# Altium PCB HW_Dron_V2.PcbDoc (part 2 of 2) (continued)
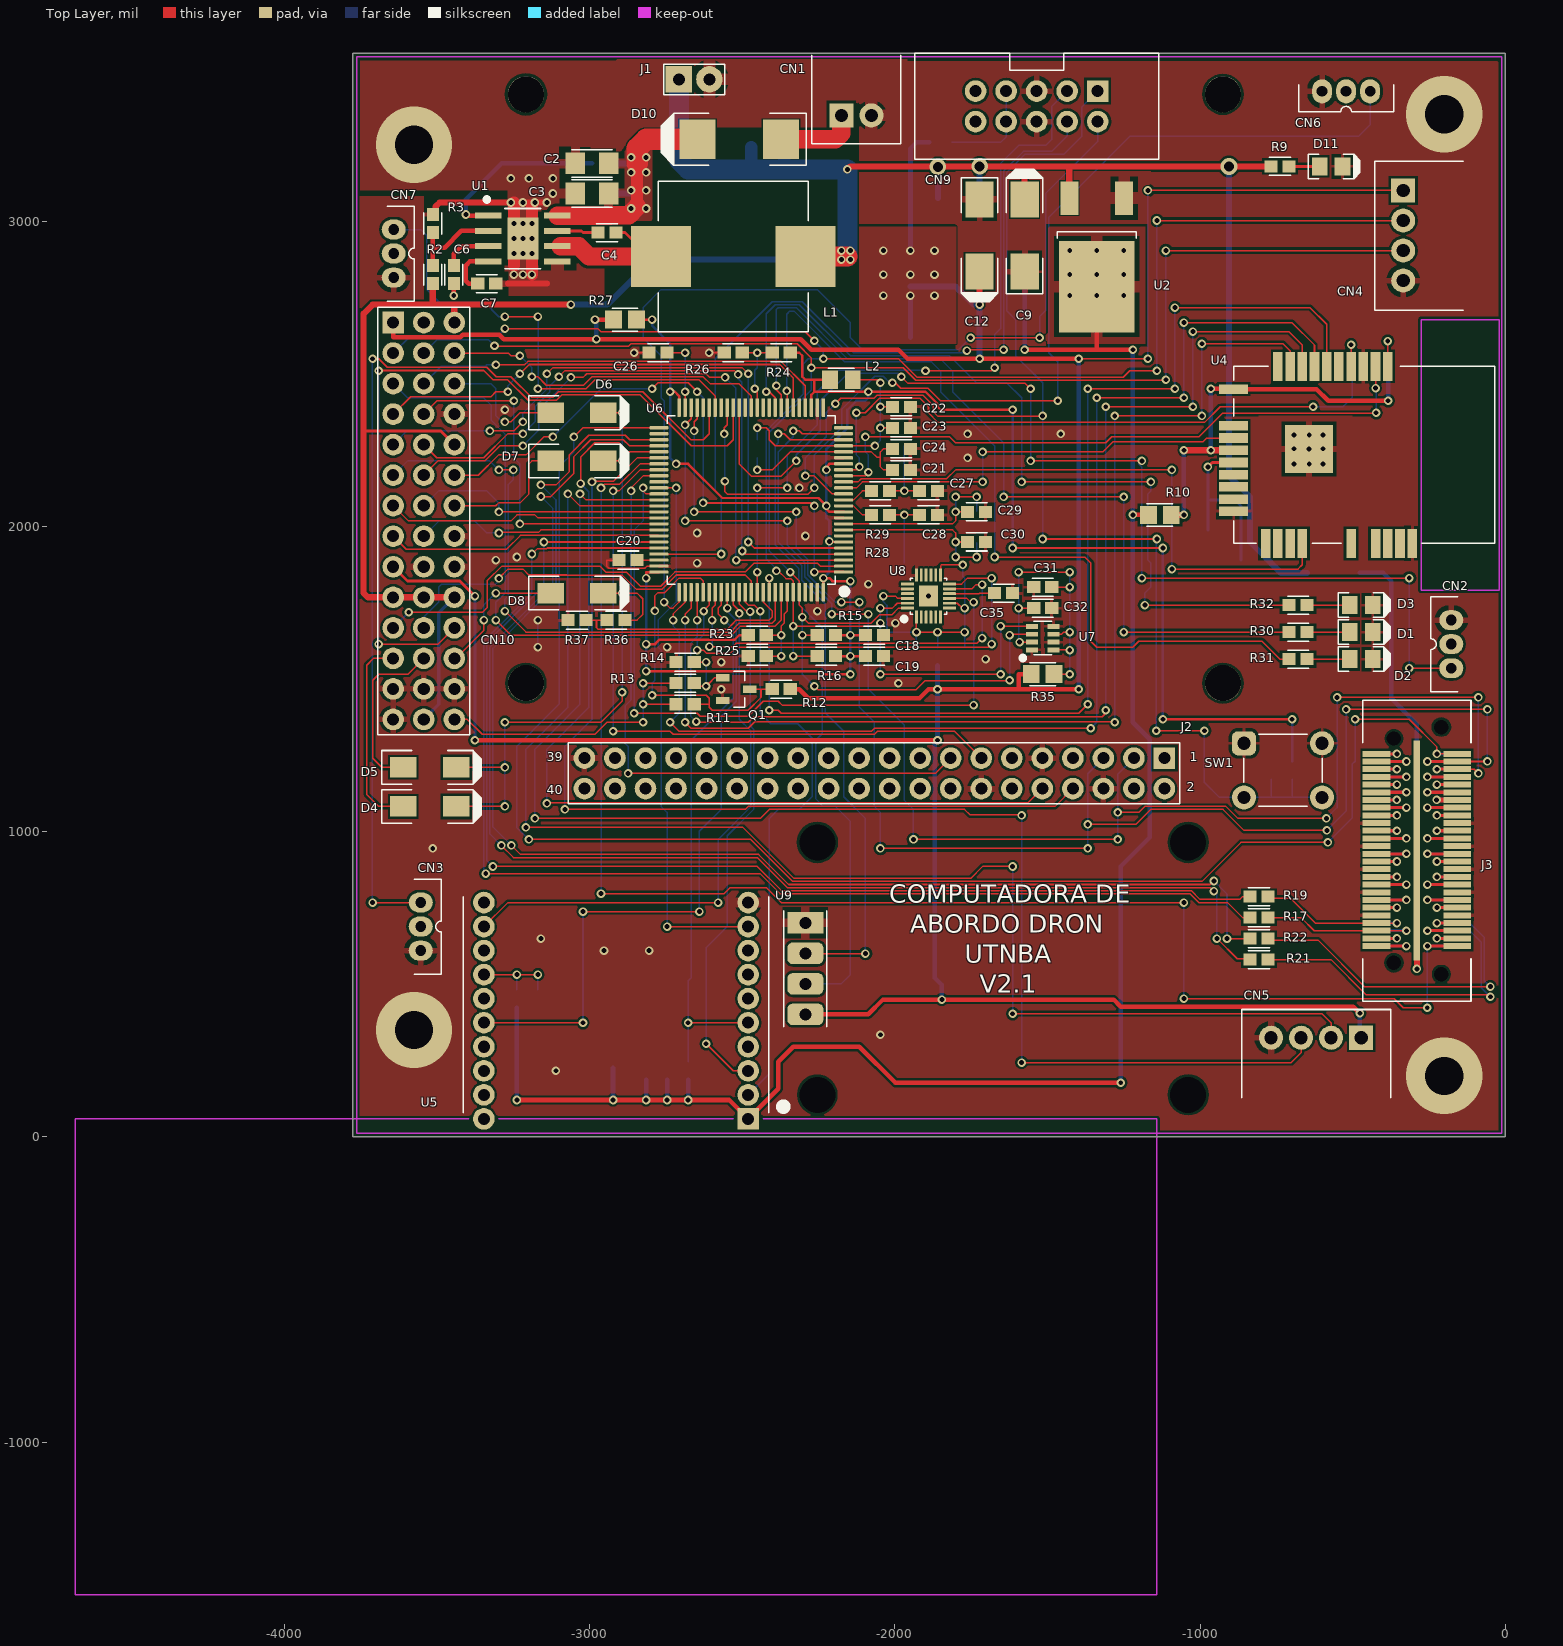
[diagram p0: Top Layer view]
## Nets (pads, with @x,y where several pads share a name; then routed paths per layer and width w, separated by ;. In a path a pad name is that pad's centre, name@x,y a point inside that pad or via, vN(x,y) a via of type N, cw(c..) or ccw(c..) an arc to the next point about the centre after c; other vN are vias at no path point) (continued)
  Bottom Layer w10: J4.18@-422.24,826.57 v1(-324.21,826.57)
PE1_TN_PC: J3.13 J4.13 | length 196.1
  Top Layer w10: v1(-255.31,776.18) J3.13@-157.28,776.18
  Bottom Layer w10: v1(-255.31,776.18) J4.13@-157.28,776.18
PE1_TP_PC: J3.11 J4.11 | length 133.9
  Top Layer w10: v1(-224.21,750.98) J3.11@-157.28,750.98
  Bottom Layer w10: v1(-224.21,750.98) J4.11@-157.28,750.98
PE_RST#_PC: J3.2 J4.2 | length 196.1
  Top Layer w10: J3.2@-422.24,625 v1(-324.21,625)
  Bottom Layer w10: J4.2@-422.24,625 v1(-324.21,625)
PH_N: R28.1 U6.12 | length 103.6
  Top Layer w5: U6.12@-2168.11,2066.93 -2135.83,2066.93 -2106.3,2037.4 R28.1@-2076.77,2037.4
PH_P: R29.1 U6.13 | length 103.6
  Top Layer w5: U6.13@-2168.11,2086.61 -2135.83,2086.61 -2106.3,2116.14 R29.1@-2076.77,2116.14
PSON#_PC: J3.52 J4.52 | length 133.9
  Top Layer w10: J3.52@-422.24,1254.92 v1(-355.31,1254.92)
  Bottom Layer w10: J4.52@-422.24,1254.92 v1(-355.31,1254.92)
PWRG_PC: J3.46 J4.46 | length 196.1
  Top Layer w10: J3.46@-422.24,1179.33 v1(-324.21,1179.33)
  Bottom Layer w10: J4.46@-422.24,1179.33 v1(-324.21,1179.33)
RC_ENTRADA: CN10.42 R11.1 R13.2 | length 999.5
  Top Layer w5: CN10.42@-3443.31,1367.72 -3400.57,1367.72 -3351.75,1318.9 -2982.28,1318.9 -2942.91,1358.27 v1(-2824.8,1358.27) ; v1(-2824.8,1417.32) R11.1@-2716.54,1417.32 ; v1(-2824.8,1486.22) R13.2@-2716.54,1486.22
  Bottom Layer w5: v1(-2824.8,1358.27) v1(-2824.8,1486.22)
RC_OUT: Q1.2 R11.2 R12.1 U6.80 | length 1115.6
  Top Layer w5: v1(-2795.28,1446.85) -2618.11,1446.85 -2608.27,1437.01 -2608.27,1417.32 ; v1(-2785.87,1722.88) -2787.25,1724.26 -2787.25,1771.65 -2775.59,1783.31 -2754.09,1783.31 -2706.69,1830.71 -2637.8,1830.71 -2627.95,1820.87 U6.80@-2627.95,1784.25 ; R11.2@-2657.48,1417.32 -2608.27,1417.32 ; Q1.2@-2475.39,1466.54 -2438.48,1466.54 ; R12.1@-2401.58,1466.54 -2438.48,1466.54 ; -2608.27,1417.32 -2608.27,1407.48 -2598.43,1397.64 -2480.32,1397.64 -2438.48,1439.47 -2438.48,1466.54
  Bottom Layer w5: v1(-2795.28,1446.85) -2795.28,1486.22 -2785.87,1495.62 v1(-2785.87,1722.88)
RES48_PC: J3.48 J4.48 | length 133.9
  Top Layer w10: J3.48@-422.24,1204.53 v1(-355.31,1204.53)
  Bottom Layer w10: J4.48@-422.24,1204.53 v1(-355.31,1204.53)
RES50_PC: J3.50 J4.50 | length 196.1
  Top Layer w10: J3.50@-422.24,1229.72 v1(-324.21,1229.72)
  Bottom Layer w10: J4.50@-422.24,1229.72 v1(-324.21,1229.72)
SWO: CN9.3 U6.89 | length 2467.7
  Top Layer w5: U6.89@-2450.79,1784.25 v1(-2450.79,1850.39) ; v1(-2450.79,2125.98) v1(-2352.36,2125.98) ; v1(-1899.61,2509.84) -1683.07,2509.84 v1(-1673.23,2519.69)
  Bottom Layer w5: v1(-2450.79,1850.39) v1(-2450.79,2125.98) ; v1(-2352.36,2125.98) -2352.36,2234.25 -2254.09,2332.52 -2254.09,2440.79 -2182.91,2511.97 -1901.73,2511.97 v1(-1899.61,2509.84) ; v1(-1673.23,2519.69) -1673.23,2627.95 -1653.7,2647.48 -1653.7,3188.82 -1594.49,3248.03 -1505.91,3248.03 -1486.22,3267.72 -1486.22,3375.2 CN9.3@-1435.43,3425.98
T_JTCK: CN9.2 U6.76 | length 3327.9
  Top Layer w5: v1(-2755.91,1751.97) -2736.22,1732.28 -2726.38,1732.28 -2706.69,1751.97 U6.76@-2706.69,1784.25 ; v1(-1751.97,2618.11) v1(-1525.59,2618.11)
  Bottom Layer w5: v1(-2755.91,1751.97) -2755.91,2411.42 -2765.75,2421.26 -2765.75,2559.06 -2824.8,2618.11 -2824.8,2716.54 -2765.75,2775.59 -2253.94,2775.59 -2145.67,2667.32 -2145.67,2618.11 -2106.3,2578.74 -1791.34,2578.74 v1(-1751.97,2618.11) ; v1(-1525.59,2618.11) -1525.59,2687.17 -1506.06,2706.69 -1506.06,3090.39 -1335.43,3261.02 CN9.2@-1335.43,3325.98
T_JTMS: CN9.4 U6.72 | length 2835.1
  Top Layer w5: U6.72@-2772.84,1909.45 v1(-2568.9,1909.45) ; v1(-1763.96,2575.71) -1761.81,2577.86 v1@-1643.7,2577.86
  Bottom Layer w5: v1(-2568.9,1909.45) -2568.9,2096.46 -2588.58,2116.14 -2588.58,2549.21 -2401.57,2736.22 -2303.15,2736.22 -2135.67,2568.74 -1770.93,2568.74 v1(-1763.96,2575.71) ; v1(-1643.7,2578.74) -1643.7,3163.59 -1578.79,3228.5 -1486.22,3228.5 -1435.43,3279.29 CN9.4@-1435.43,3325.98
T_NRST: C25.1 CN9.1 R20.1 SW1.2 U6.14 | length 4726.5
  Top Layer w5: v1(-2293.31,2165.35) -2263.78,2165.35 -2204.72,2106.3 U6.14@-2168.11,2106.3 ; v1(-2194.88,2401.57) -2177.01,2419.44 -2068.74,2419.44 -2058.74,2429.44 -1907.79,2429.44 -1874.38,2396.03 -1874.38,2376.35 -1858.42,2360.39 -1517.56,2360.39 v1(-1515.75,2362.2) ; v1(-1515.75,1958.66) v1(-1141.73,1958.66) ; v1(-1143.55,1330.56) v1(-986.07,1330.56)
  Bottom Layer w5: v1(-2293.31,2165.35) -2293.31,2224.41 -2224.41,2293.31 -2224.41,2372.05 v1(-2194.88,2401.57) ; v1(-1515.75,1958.66) -1515.75,2470.47 -1604.33,2559.06 -1604.33,2677.17 -1633.7,2706.54 -1633.7,3159.45 -1574.65,3218.5 -1446.85,3218.5 -1387.8,3277.56 -1387.8,3373.62 CN9.1@-1335.43,3425.98 ; v1(-1143.55,1330.56) -1143.55,1956.85 v1(-1141.73,1958.66) ; v1(-986.07,1330.56) -986.07,1161.42 -936.85,1112.2 SW1.2@-856.3,1112.2 SW1.2@-600.39,1112.2 ; -767.72,1112.21 C25.1@-767.72,1171.26 ; -698.82,1112.21 R20.1@-698.82,1171.26
US1_TRIG: CN10.6 U6.38 | length 1109.5
  Top Layer w5: CN10.6@-3443.31,2567.72 -3266.54,2567.72 -3257.87,2559.06 v1(-3228.35,2559.06) ; v1(-3188.98,2490.16) -3169.29,2490.16 -3141.74,2462.6 -3019.68,2462.6 -2991.97,2490.32 -2628.11,2490.32 -2604.32,2466.53 -2509.88,2466.53 -2470.47,2427.12 U6.38@-2470.47,2388.98
  Bottom Layer w5: v1(-3228.35,2559.06) -3188.98,2519.69 v1(-3188.98,2490.16)
US2_TRIG: CN10.18 U6.1 | length 1988.5
  Top Layer w5: CN10.18@-3443.31,2167.72 -3364.57,2167.72 -3298.03,2234.25 -3208.66,2234.25 -3149.61,2293.31 v1(-3120.08,2293.31) ; v1(-2795.12,2450.79) -2775.59,2470.32 -2677.01,2470.32 v1(-2647.64,2440.94) ; v1(-2627.95,2076.77) -2627.8,2076.61 -2273.46,2076.61 v1(-2263.78,2066.93) ; v1(-2263.78,1850.39) -2261.96,1852.21 -2168.11,1852.21 U6.1@-2168.11,1850.39
  Bottom Layer w5: v1(-3120.08,2293.31) -2962.6,2450.79 v1(-2795.12,2450.79) ; v1(-2647.64,2440.94) -2627.95,2421.26 v1(-2627.95,2076.77) ; v1(-2263.78,1850.39) v1(-2263.78,2066.93)
US3_TRIG: CN10.33 U6.41 | length 2557.9
  Top Layer w5: v1(-3690.94,1614.17) -3496.85,1614.17 CN10.33@-3443.31,1667.72 ; v1(-3690.94,2509.84) -3690.14,2510.65 -3346.46,2510.65 -3316.12,2480.32 -3268.59,2480.32 -3201.29,2413.01 -3108.64,2413.01 -3090.87,2430.79 -2834.33,2430.79 -2667.32,2263.78 -2549.21,2263.78 -2529.53,2283.47 U6.41@-2529.53,2388.98
  Bottom Layer w5: v1(-3690.94,1614.17) v1(-3690.94,2509.84)
US4_TRIG: CN10.32 U6.88 | length 1299.6
  Top Layer w5: v1(-3297.24,1829.83) -3297.24,1830.39 -3267.56,1860.08 -3218.35,1860.08 -3198.98,1840.71 -3075.32,1840.71 -3075.01,1840.39 -2893.54,1840.39 -2846.46,1793.31 -2763.78,1793.31 -2716.38,1840.71 -2490.32,1840.71 -2470.47,1820.87 U6.88@-2470.47,1784.25
  Bottom Layer w5: CN10.32@-3543.31,1667.72 -3543.31,1702.76 -3494.09,1751.97 -3494.09,1801.18 -3484.25,1811.02 -3307.09,1811.02 -3297.24,1820.87 v1(-3297.24,1829.83)
US5_TRIG: CN10.31 U6.2 | length 1673.7
  Top Layer w5: v1(-3592.52,1718.5) -3350.39,1718.5 -3335.75,1733.15 -3335.75,1821.73 -3287.4,1870.08 -2966.9,1870.08 -2947.21,1850.39 -2879.56,1850.39 -2833.18,1804.02 -2767.21,1804.02 -2720.52,1850.71 -2489.84,1850.71 -2460.79,1879.76 -2253.94,1879.76 -2244.25,1870.08 U6.2@-2168.11,1870.08
  Bottom Layer w5: CN10.31@-3643.31,1667.72 v1(-3592.52,1718.5)
US_ECHO: R36.1 R37.2 U6.90 | length 781.5
  Top Layer w5: R37.2@-3011.81,1692.91 -2977.36,1692.91 ; R36.1@-2942.91,1692.91 -2977.36,1692.91 ; U6.90@-2431.1,1784.25 -2431.1,1751.97 -2401.73,1722.6 -2401.73,1702.91 -2411.42,1693.23 -2519.37,1693.23 -2527.71,1684.89 -2527.71,1684.01 -2548.33,1663.39 -2795.28,1663.39 -2795.43,1663.54 -2972.44,1663.54 -2977.36,1668.46 -2977.36,1692.91
USART6_RX: CN5.2 U6.64 | length 4730.8
  Top Layer w5: v1(-3208.66,1013.78) -2497.52,1013.78 -2330.51,846.77 -1751.65,846.77 -1712.6,885.83 v1(-1614.17,885.83) ; v1(-3070.87,2106.3) -3031.5,2066.93 U6.64@-2772.84,2066.93 ; v1(-1614.17,403.54) -600.39,403.54 -570.87,374.02 CN5.2@-570.87,324.8
  Bottom Layer w5: v1(-3208.66,1013.78) -3208.66,1269.68 -3070.87,1407.48 v1(-3070.87,2106.3) ; v1(-1614.17,403.54) v1(-1614.17,885.83)
USART6_TX: CN5.3 U6.63 | length 4793.5
  Top Layer w5: v1(-3179.13,1043.31) -2440.94,1043.31 -2411.57,1072.68 -1771.5,1072.68 -1753.78,1054.96 -1586.46,1054.96 v1(-1584.65,1053.15) ; v1(-3031.5,2106.3) -3011.81,2086.61 U6.63@-2772.84,2086.61 ; v1(-1584.65,243.32) -701.56,243.32 -669.29,275.59 CN5.3@-669.29,324.8
  Bottom Layer w5: v1(-3179.13,1043.31) -3179.13,1269.68 -3031.5,1417.32 v1(-3031.5,2106.3) ; v1(-1584.65,243.32) v1(-1584.65,1053.15)
USB0_N: J3.8 J4.8 R19.2 | length 525.1
  Top Layer w5: R19.2@-777.56,787.4 -772.56,782.4 -704.9,782.4 -623.09,700.59 J3.8@-422.24,700.59 v1(-355.31,700.59)
  Bottom Layer w10: J4.8@-422.24,700.59 v1(-355.31,700.59)
USB0_P: J3.6 J4.6 R17.2 | length 569.2
  Top Layer w5: R17.2@-777.56,718.5 -669.29,718.5 -626.18,675.39 J3.6@-422.24,675.39 v1(-324.21,675.39)
  Bottom Layer w10: J4.6@-422.24,675.39 v1(-324.21,675.39)
USB1_N: J3.7 J4.7 R22.2 | length 1204.4
  Top Layer w5: R22.2@-772.56,644.61 -613.55,644.61 -461.07,492.13 v1(-49.21,492.13)
  Top Layer w10: R22.2@-777.56,649.61 R22.2@-772.56,644.61 ; v1(-224.21,700.59) J3.7@-157.28,700.59
  Bottom Layer w5: J4.7@-157.28,700.59 -154.78,698.09 -114.26,698.09 -68.9,652.73 -68.9,511.81 v1(-49.21,492.13)
  Bottom Layer w10: v1(-224.21,700.59) J4.7@-157.28,700.59
USB1_P: J3.5 J4.5 R21.2 | length 1259.5
  Top Layer w5: R21.2@-777.56,580.71 -570.87,580.71 -455.41,465.26 -55.34,465.26 v1(-49.21,459.13)
  Top Layer w10: v1(-255.31,675.39) J3.5@-157.28,675.39
  Bottom Layer w5: J4.5@-157.28,675.39 -154.78,672.89 -114.26,672.89 -78.9,637.54 -78.9,488.81 v1(-49.21,459.13)
  Bottom Layer w10: v1(-255.31,675.39) J4.5@-157.28,675.39
USB_OC: J3.1 J4.1 U6.57 | length 5010.8
  Top Layer w5: v1(-2962.6,797.24) -2559.06,797.24 -2539.37,816.93 -2421.26,816.93 -2372.05,767.72 v1(-1053.15,767.72) ; v1(-2962.6,2125.98) -2950.94,2137.64 -2901.73,2137.64 -2834.65,2204.72 U6.57@-2772.84,2204.72 ; v1(-1053.15,452.76) -364.17,452.76 -334.65,423.23 v1(-255.91,423.23)
  Top Layer w10: v1(-255.31,625) J3.1@-157.28,625
  Bottom Layer w5: v1(-2962.6,797.24) v1(-2962.6,2125.98) ; v1(-1053.15,452.76) v1(-1053.15,767.72) ; v1(-255.91,423.23) v1@-255.91,624.41
  Bottom Layer w10: v1(-255.31,625) J4.1@-157.28,625
USBF_N: R19.1 U6.70 | length 4055
  Top Layer w5: v1(-3316.93,885.83) -2450.79,885.83 -2371.73,806.77 -1029.32,806.77 -1000.27,777.72 -870.45,777.72 -860.77,787.4 R19.1@-836.61,787.4 ; v1(-3149.61,1948.82) U6.70@-2772.84,1948.82
  Bottom Layer w5: v1(-3316.93,885.83) -3336.61,905.51 -3336.61,1619.72 -3294.92,1661.41 -3294.04,1661.41 -3149.61,1805.85 v1(-3149.61,1948.82)
USBF_P: R17.1 U6.71 | length 4103
  Top Layer w5: v1(-3340.26,862.49) -2441.6,862.49 -2376.19,797.09 -2375.87,796.77 -1033.46,796.77 -1004.41,767.72 -909.98,767.72 -860.77,718.5 R17.1@-836.61,718.5 ; v1(-3188.98,1909.45) -3171.11,1927.32 -3140.7,1927.32 -3138.89,1929.13 U6.71@-2772.84,1929.13
  Bottom Layer w5: v1(-3340.26,862.49) -3346.61,868.84 -3346.61,1623.86 -3299.06,1671.41 -3298.18,1671.41 -3188.98,1780.62 v1(-3188.98,1909.45)
USBH_N: R22.1 U6.53 | length 4445.6
  Top Layer w5: v1(-3256.22,954.72) -3226.69,925.2 -2446.49,925.2 -2348.06,826.77 -966.22,826.77 v1(-954.72,838.27) ; v1(-3159.45,2135.83) -3110.24,2135.83 -3066.18,2179.88 -3066.18,2234.92 -3002.48,2298.62 -2883.35,2298.62 -2868.19,2283.46 U6.53@-2772.84,2283.46 ; v1(-911.88,649.61) R22.1@-836.61,649.61
  Bottom Layer w5: v1(-3256.22,954.72) -3316.61,1015.12 -3316.61,1600.35 -3110.08,1806.88 -3110.08,2086.46 v1(-3159.45,2135.83) ; v1(-954.72,838.27) -911.88,795.43 v1(-911.88,649.61)
USBH_P: R21.1 U6.54 | length 4457.4
  Top Layer w5: v1(-3289.22,954.72) -3249.69,915.2 -2450.63,915.2 -2352.2,816.77 -966.22,816.77 v1(-954.72,805.27) ; v1(-3159.45,2097.83) -3127.02,2097.83 -3051.18,2173.67 -3051.18,2228.71 -2996.27,2283.62 -2889.56,2283.62 -2869.72,2263.78 U6.54@-2772.84,2263.78 ; v1(-944.88,649.61) -878.49,583.21 -839.11,583.21 R21.1@-836.61,580.71
  Bottom Layer w5: v1(-3289.22,954.72) -3326.61,992.12 -3326.61,1604.49 -3120.08,1811.02 -3120.08,2058.46 v1(-3159.45,2097.83) ; v1(-954.72,805.27) -944.88,795.43 v1(-944.88,649.61)
VDDA: C22.1 C23.1 L2.2 R18.1 U6.22 | length 862.3
  Top Layer w5: v1(-2450.79,2322.83) -2421.26,2322.83 -2411.42,2312.99 -2411.42,2283.46 -2391.73,2263.78 U6.22@-2168.11,2263.78 v1(-2065.11,2263.78) v1@-2057.09,2263.78 ; L2.2@-2137.8,2480.31 -2057.09,2480.31 v1(-2047.24,2470.47) ; v1(-2047.24,2322.83) C23.1@-2007.87,2322.83 ; v1(-2047.24,2391.73) C22.1@-2007.87,2391.73
  Bottom Layer w5: R18.1@-2450.79,2283.46 v1(-2450.79,2322.83) ; v1(-2065.11,2263.78) -2047.24,2281.65 v1(-2047.24,2322.83) v1(-2047.24,2470.47)
VOUT_SWTCH: C5.1 C8.1 C9.1 C11.1 CN10.3 CN10.15 CN10.28 CN10.29 CN10.30 CN10.41 D9.1 J1.1 L1.2 R2.2 R9.1 U2.3 U3.3 | length 8439.2
  Top Layer w10: -3740.16,2313.15 -3488.74,2313.15 CN10.15@-3443.31,2267.72
  Top Layer w20: -3513.78,2726.38 R2.2@-3513.78,2795.28 ; CN10.30@-3443.31,1767.72 CN10.29@-3543.31,1767.72 CN10.28@-3643.31,1767.72 -3726.38,1767.72 -3740.16,1781.5 -3740.16,2696.85 -3710.63,2726.38 v1(-3061.02,2726.38) ; CN10.3@-3443.31,2667.72 -3443.31,2724.8 ; v1(-2155.51,3169.29) -2145.68,3179.12 v3(-1722.43,3179.12) -1428.58,3179.13 ; C9.1@-1574.81,3070.88 -1574.81,3179.12 ; U2.3@-1428.58,3075.39 -1428.58,3179.13 ; R9.1@-767.72,3179.13 v4(-905.51,3179.13) -1428.58,3179.13
  Top Layer w65: L1.2@-2293.31,2883.86 v1@-2155.51,2883.86
  Bottom Layer w10: CN10.41@-3543.31,1367.72 -3543.31,1368.11 -3494.09,1417.32 -3494.09,1716.93 CN10.30@-3443.31,1767.72
  Bottom Layer w20: v1(-3061.02,2726.38) -2942.91,2726.38 -2795.28,2874.02 v1(-2175.2,2874.02) ; U3.3@-1858.82,3075.39 v3(-1858.82,3177.72) ; C11.1@-1722.43,3070.88 v3(-1722.43,3179.12) ; v4(-905.51,3179.13) -905.51,2165.35 -836.61,2096.46 -836.61,1948.82 -735.37,1847.57 D9.1@-650.37,1847.57
  Bottom Layer w40: -2470.47,3169.29 C5.1@-2470.47,3242.13 ; -2362.2,3169.29 C8.1@-2362.2,3242.13
  Bottom Layer w65: J1.1@-2707.48,3464.57 -2707.48,3199.61 -2677.17,3169.29 -2470.47,3169.29 -2362.2,3169.29 v1(-2155.51,3169.29) -2155.51,3139.76 v1@-2155.51,2883.86
  other v1: -2145.67,2874.02 -2175.2,2903.54 -2145.67,2903.54
VREF: C21.1 C24.1 R18.2 U6.21 | length 609.1
  Top Layer w5: v1(-2450.79,2185.04) -2401.57,2185.04 -2342.52,2244.1 U6.21@-2168.11,2244.09 -2076.77,2244.09 -2058.9,2226.22 -2049.06,2226.22 ; C21.1@-2007.87,2185.04 -2037.4,2185.04 -2047.24,2194.88 -2047.24,2244.1 -2037.4,2253.94 C24.1@-2007.87,2253.94
  Bottom Layer w5: v1(-2450.79,2185.04) R18.2@-2450.79,2224.41
WIFI_EN: U4.22 U6.15 | length 1403.3
  Top Layer w5: U6.15@-2168.11,2125.98 -2125.98,2125.98 -2106.3,2145.67 v1(-1712.6,2145.67) ; v1(-1712.6,2244.09) -1318.74,2244.09 -1286.24,2276.6 -991.12,2276.6 -978.31,2289.41 U4.22@-890.16,2289.41
  Bottom Layer w5: v1(-1712.6,2145.67) v1(-1712.6,2244.09)
WIFI_IRQN: R8.1 U6.18 | length 2027.4
  Top Layer w5: U6.18@-2168.11,2185.04 -2125.98,2185.04 v1(-2116.14,2194.88) ; v1(-2125.98,2372.05) -2097.33,2372.05 -2049.94,2419.44 -1917.48,2419.44 -1889.76,2391.73 -1889.76,2372.05 -1858.42,2340.7 -985.19,2340.7 -934.16,2391.73 v1(-629.92,2391.73)
  Bottom Layer w5: v1(-2125.98,2372.05) -2125.98,2234.25 -2116.14,2224.41 v1(-2116.14,2194.88) ; v1(-629.92,2391.73) -531.5,2391.73 -501.97,2421.26 R8.1@-501.97,2490.16
WIFI_MISO: U4.17 U6.79 | length 3767
  Top Layer w5: v1(-2650.49,1360.24) -2648.52,1358.27 -2480.32,1358.27 -2462.44,1376.14 -1320.71,1376.14 v1@-1309.21,1387.64 ; v1(-2647.64,1692.91) U6.79@-2647.64,1784.25 ; v1(-1309.06,2391.73) v1(-1023.62,2391.73) ; v1(-1023.62,2637.8) -708.66,2637.8 -665.28,2594.41 U4.17@-665.28,2524.21
  Bottom Layer w5: v1(-2650.49,1360.24) -2669.14,1378.89 -2669.14,1616.66 -2647.64,1638.16 v1(-2647.64,1692.91) ; v1(-1309.06,1397.64) v1(-1309.06,2391.73) ; v1(-1023.62,2391.73) v1(-1023.62,2637.8)
WIFI_MOSI: U4.15 U6.91 | length 3781.6
  Top Layer w5: v1(-2411.42,1397.64) -2381.89,1397.64 -2372.05,1387.8 -1397.64,1387.8 v1(-1368.11,1417.32) ; U6.91@-2411.42,1784.25 v1(-2411.41,1830.7) ; v1(-1368.11,2450.79) v1(-1082.68,2450.79) ; v1(-1082.68,2716.54) -639.76,2716.54 -585.28,2662.05 U4.15@-585.28,2524.21
  Bottom Layer w5: v1(-2411.42,1397.64) v1(-2411.41,1830.7) ; v1(-1368.11,1417.32) v1(-1368.11,2450.79) ; v1(-1082.68,2450.79) v1(-1082.68,2716.54)
WIFI_RST: U4.4 U6.16 | length 1920
  Top Layer w5: U6.16@-2168.11,2145.67 -2120.44,2145.67 -2110.44,2155.67 -1830.55,2155.67 -1801.18,2185.04 v1(-1092.52,2185.04) ; v1(-1092.52,1860.24) -679.13,1860.24 -665.04,1874.33 U4.4@-665.04,1944.29
  Bottom Layer w5: v1(-1092.52,1860.24) v1(-1092.52,2185.04)
WIFI_SCK: U4.18 U6.78 | length 3734.4
  Top Layer w5: v1(-2687.01,1358.27) -2667.48,1338.74 -2480.16,1338.74 -2458.81,1360.08 -1281.34,1360.08 v1(-1279.53,1358.27) ; v1(-2687.01,1692.91) -2687.01,1712.6 -2667.32,1732.28 U6.78@-2667.32,1784.25 ; v1(-1279.52,2362.2) v1(-994.09,2362.2) ; v1(-994.09,2598.43) -728.35,2598.43 -705.28,2575.35 U4.18@-705.28,2524.21
  Bottom Layer w5: v1(-2687.01,1358.27) v1(-2687.01,1692.91) ; v1(-1279.53,1358.27) v1(-1279.52,2362.2) ; v1(-994.09,2362.2) v1(-994.09,2598.43)
WIFI_SS: U4.16 U6.77 | length 4007.2
  Top Layer w5: v1(-2736.22,1358.27) -2706.69,1328.74 -2076.77,1328.74 -2066.93,1338.58 v1(-1358.27,1338.58) ; v1(-2726.38,1692.91) -2726.38,1712.6 -2687.01,1751.97 U6.77@-2687.01,1784.25 ; v1(-1338.58,2421.26) v1(-1053.15,2421.26) ; v1(-1053.15,2667.32) -698.82,2667.32 -625.28,2593.78 U4.16@-625.28,2524.21
  Bottom Layer w5: v1(-2736.22,1358.27) -2706.69,1387.8 -2706.69,1653.54 -2726.38,1673.23 v1(-2726.38,1692.91) ; v1(-1358.27,1338.58) -1338.58,1358.27 v1(-1338.58,2421.26) ; v1(-1053.15,2421.26) v1(-1053.15,2667.32)
WIFI_WAKE: U4.11 U6.17 | length 2083.1
  Top Layer w5: U6.17@-2168.11,2165.35 -2168.11,2165.67 -2096.14,2165.67 -2086.61,2175.2 v1(-2086.61,2177.17) ; v1(-2096.46,2293.31) -1820.87,2293.31 -1801.18,2273.62 -1309.06,2273.62 -1289.37,2293.31 -1003.94,2293.31 -927.01,2370.23 -425.04,2370.23 v1(-423.23,2372.05) ; v1(-425.28,2452.83) U4.11@-425.28,2524.21
  Bottom Layer w5: v1(-2096.46,2293.31) -2096.46,2244.09 -2086.61,2234.25 v1(-2086.61,2177.17) ; v1(-425.28,2452.83) -423.23,2450.79 v1(-423.23,2372.05)
XBEE_CTS: U5.12 U6.85 | length 1884.4
  Top Layer w5: U5.12@-3346.46,688.98 -3267.72,767.72 v1(-2578.73,767.72) ; U6.85@-2529.53,1784.25 -2529.53,1743.44 -2509.84,1723.76 v1(-2509.84,1714.73)
  Bottom Layer w5: v1(-2578.73,767.72) -2578.73,974.41 -2472.67,1080.48 -2472.67,1331.56 -2509.53,1368.43 -2509.53,1714.41 v1(-2509.84,1714.73)
XBEE_DTR: U5.9 U6.61 | length 1795.7
  Top Layer w5: U6.61@-2772.84,2125.98 v1(-2716.54,2125.98) ; v1(-2746.06,688.98) U5.9@-2480.31,688.98
  Bottom Layer w5: v1(-2746.06,688.98) -2746.06,1062.99 -2765.75,1082.68 -2765.75,1593.61 -2767.56,1595.43 -2767.56,1596.3 -2775.59,1604.33 -2775.59,1692.91 -2716.54,1751.97 v1(-2716.54,2125.98)
XBEE_NRST: R4.1 U5.5 U6.83 | length 1820.7
  Top Layer w5: v1(-2677.17,374.02) U5.5@-2480.31,374.02 ; U6.83@-2568.9,1784.25 -2568.9,1742.57 -2578.74,1732.72 -2578.74,1712.6 v1(-2559.06,1692.91)
  Bottom Layer w5: R4.1@-2677.17,246.06 v1(-2677.17,374.02) -2677.17,511.81 -2667.32,521.65 -2667.32,1299.21 -2529.53,1437.01 -2529.53,1663.39 v1(-2559.06,1692.91)
XBEE_RTS: U5.16 U6.84 | length 2179.2
  Top Layer w5: U5.16@-3346.46,374.02 v1(-3021.65,374.02) ; v1(-3021.65,738.19) v1(-2640.54,738.19) ; U6.84@-2549.21,1784.25 -2548.77,1783.8 v1(-2548.77,1732.28)
  Bottom Layer w5: v1(-3021.65,374.02) v1(-3021.65,738.19) ; v1(-2640.54,738.19) -2640.54,1001.19 -2568.9,1072.83 -2568.9,1377.8 -2519.53,1427.17 -2519.53,1692.76 -2548.77,1722 v1(-2548.77,1732.28) v1@-2549.21,1731.85
XBEE_RX: U5.3 U6.86 | length 1743.7
  Top Layer w5: v1(-2618.11,305.12) -2529.53,216.54 U5.3@-2480.31,216.54 ; U6.86@-2509.84,1784.25 -2509.84,1746.11 -2484.36,1720.63 v1(-2473.94,1720.63)
  Bottom Layer w5: v1(-2618.11,305.12) -2618.11,620.08 -2549.21,688.98 -2549.21,986.29 -2462.67,1072.83 -2462.67,1335.71 -2473.94,1346.98 v1(-2473.94,1720.63)
XBEE_TX: U5.2 U6.87 | length 1928.1
  Top Layer w5: U6.87@-2490.16,1784.25 -2490.16,1751.97 -2480.32,1742.13 -2460.63,1742.13 v1(-2440.94,1722.44)
  Bottom Layer w5: U5.2@-2480.31,137.8 -2411.42,206.69 -2411.42,1043.31 -2381.89,1072.83 -2312.99,1072.83 -2270.57,1115.26 -2270.57,1306 -2317.91,1353.35 -2406.5,1353.35 -2440.94,1387.8 v1(-2440.94,1722.44)
pads on no net: CN2.2 CN3.2 CN6.2 CN7.2 CN9.9 CN9.10 J2. J2.1 J2.2 J2.4 J2.7 J2.11 J2.12 J2.16 J2.17 J2.18 J2.19 J2.21 J2.22 J2.23 J2.24 J2.26 J2.27 J2.28 J2.29 J2.31 J2.32 J2.33 J2.35 J2.36 J2.37 J2.38 J2.40 J3. J4. U4.1 U4.2 U4.3 U4.5 U4.6 U4.7 U4.8 U4.14 U4.19 U4.21 U4.25 U4.26 U4.27 U5.4 U5.6 U5.7 U5.8 U5.11 U5.13 U5.15 U5.17 U5.18 U5.19 U5.20 U6.7 U6.25 U6.26 U6.30 U6.35 U6.36 U6.39 U6.43 U6.46 U6.52 U6.60 U6.97 U6.98 U8.2 U8.3 U8.4 U8.5 U8.6 U8.7 U8.14 U8.15 U8.16 U8.17 U8.19 U8.21 U9.

## Polygon pours and split planes (outlines as drawn)
GND on Top Layer "PACK-_2" (solid, remove dead copper, pour order 54): -2913.39,3533.46 -2913.39,3051.18 -2785.43,3051.18 -2785.43,3307.09 -2116.14,3307.09 -2116.14,3198.82 -1958.66,3198.82 -1958.66,3533.46
3V3 on Top Layer "3V3_BOTTOM" (solid, remove dead copper, pour order 62): -2116.14,2982.28 -2116.14,2598.43 -1781.5,2598.43 -1781.5,2982.28
3V3_COM on Top Layer "3V3_COM_TOP" (solid, remove dead copper, pour order 66): -1505.91,2982.28 -1505.91,2598.43 -1171.26,2598.43 -1171.26,2982.28
GND on Top Layer "GND_3V3_COM_TOP" (solid, remove dead copper, pour order 64): -1161.42,3208.66 -1801.18,3208.66 -1801.18,2578.74 -1505.91,2578.74 -1505.91,2992.13 -1161.42,2992.13
GND on Top Layer "PACK-" (solid, remove dead copper, pour order 51): -3763.39,3538.19 -2982.28,3538.19 -2814.96,3538.19 -2814.96,3425.2 -2814.96,3238.19 -3001.97,3238.19 -3001.97,2883.86 -2952.76,2883.86 -2952.76,2755.91 -2824.8,2755.91 -3198.82,2755.9 -3277.56,2755.91 -3277.56,2854.33 -3267.72,2854.33 -3267.72,3100.39 -3763.39,3100.39
NetC1_1 on Top Layer "PACK+" (solid, remove dead copper, pour order 53): -2972.44,3238.19 -2972.44,3228.35 -2962.6,3228.35 -2962.6,3001.97 -2795.28,3001.97 -2795.28,3238.19
GND on Top Layer "GND_TOP" (solid, remove dead copper, pour order 58): -3763.38,3080.71 -3543.31,3080.71 -3543.31,2706.69 -2490.16,2706.69 -2116.14,2706.69 -2116.14,2559.06 -2116.14,2706.69 -2116.14,2992.13 -2116.14,3523.62 -2116.14,2992.13 -1791.34,2992.13 -1791.34,2559.06 -1505.91,2559.06 -1505.91,2588.58 -1338.58,2588.58 -1171.26,2588.58 -1171.26,2992.13 -1505.91,2992.13 -1505.91,2559.06 -1801.18,2559.06 -2116.14,2559.06 -2116.14,3523.62 -11.81,3523.62 -11.81,11.81 -3763.38,11.81
GND on Top Layer "U4" (solid, remove dead copper, pour order 57): -807.09,2409.63 -807.09,2125.98 -501.97,2125.98 -501.97,2409.63
NetC1_1 on Bottom Layer "PACK+" (solid, remove dead copper, pour order 52): -2962.6,3238.19 -2962.6,2992.13 -2795.28,2992.13 -2795.28,3238.19
3V3_COM on Bottom Layer "3V3_COM_TOP" (solid, remove dead copper, pour order 65): -1505.91,2982.28 -1505.91,2598.43 -1171.26,2598.43 -1171.26,2982.28
GND on Bottom Layer "GND_3V3_BOTTOM" (solid, remove dead copper, pour order 63): -2116.14,3208.66 -2116.14,2992.13 -1781.5,2992.13 -1781.5,2578.74 -1486.22,2578.74 -1486.22,2805.12 -1486.22,3021.65 -1486.22,3208.66
GND on Bottom Layer "GND_BOTTOM" (solid, remove dead copper, pour order 60): -2125.98,3523.62 -2125.98,2992.13 -1771.65,2992.13 -1771.65,2578.74 -1486.22,2578.74 -1486.22,2992.13 -1181.1,2992.13 -1181.1,2578.74 -1781.5,2578.74 -2116.14,2578.74 -2116.14,2755.91 -3763.38,2755.91 -3763.38,11.81 -11.81,11.81 -11.81,3523.62
3V3 on Bottom Layer "3V3_BOTTOM" (solid, remove dead copper, pour order 61): -2116.14,2982.28 -2116.14,2598.43 -1781.5,2598.43 -1781.5,2982.28
GND on Bottom Layer "PACK-_BOTTOM" (solid, remove dead copper, pour order 59): -3763.39,3523.62 -2125.98,3523.62 -1978.35,3523.62 -1978.35,3218.5 -2125.98,3218.5 -2125.98,2716.54 -3743.7,2716.54 -3763.38,2736.22

## Keep-outs
Keep-Out Layer:
  lines w5: -3763.38,11.81 -11.81,11.81 -11.81,3538.19 -3763.38,3538.19 -3763.38,11.81

## Silkscreen, mask and mechanical layers (free items; w line width, h text height)
Top Overlay:
  text "COMPUTADORA DE" at -2017.72,767.72 h60
  text "ABORDO DRON" at -1948.82,669.29 h60
  text "UTNBA" at -1771.65,570.87 h60
  text "V2.1" at -1722.44,472.44 h60
Bottom Overlay:
  region: -1671.26,188.98 -1938.98,188.98 -1938.98,105.32 -1671.26,105.32
  lines w20: -1210.63,669.29 cw(c-1151.57,669.29) -1092.52,669.29 ; -1210.63,748.03 -1092.52,748.03 ; -1210.63,826.77 ccw(c-1151.57,826.77) -1092.52,826.77 ; -1151.57,669.29 -1151.57,826.77
  text "LABORATORIO DE" at -1289.37,767.72 h60
  text "CONTROL DIGITAL" at -1259.84,669.29 h60
  text "GRUPO DRONES" at -1348.43,541.34 h60
  text "Assbly" at -1300.2,125.98 h60
Mechanical 1:
  lines w5: -3761.02,474.8 -3679.13,474.8 -3679.13,3125.2 -3758.66,3125.2 ; -3775.2,0 0,0 0,3550 -3775.2,3550 -3775.2,0

## Text inside footprints (layer, text, board x,y; h text height)
J2: Top Overlay "1" at -1033.46,1230.32 h30; Top Overlay "2" at -1043.31,1131.89 h30; Top Overlay "40" at -3139.76,1122.05 h30; Top Overlay "39" at -3139.76,1230.32 h30